# Altium PCB PCB1.PcbDoc
Units mm, origin at the board's own origin, x right, y up, seen from the top; angles counter-clockwise.
Board outline 60.83 x 47 mm, 2 copper layers (Top Layer, Bottom Layer); 6 components, 6 nets, 44 pads, 0 vias.
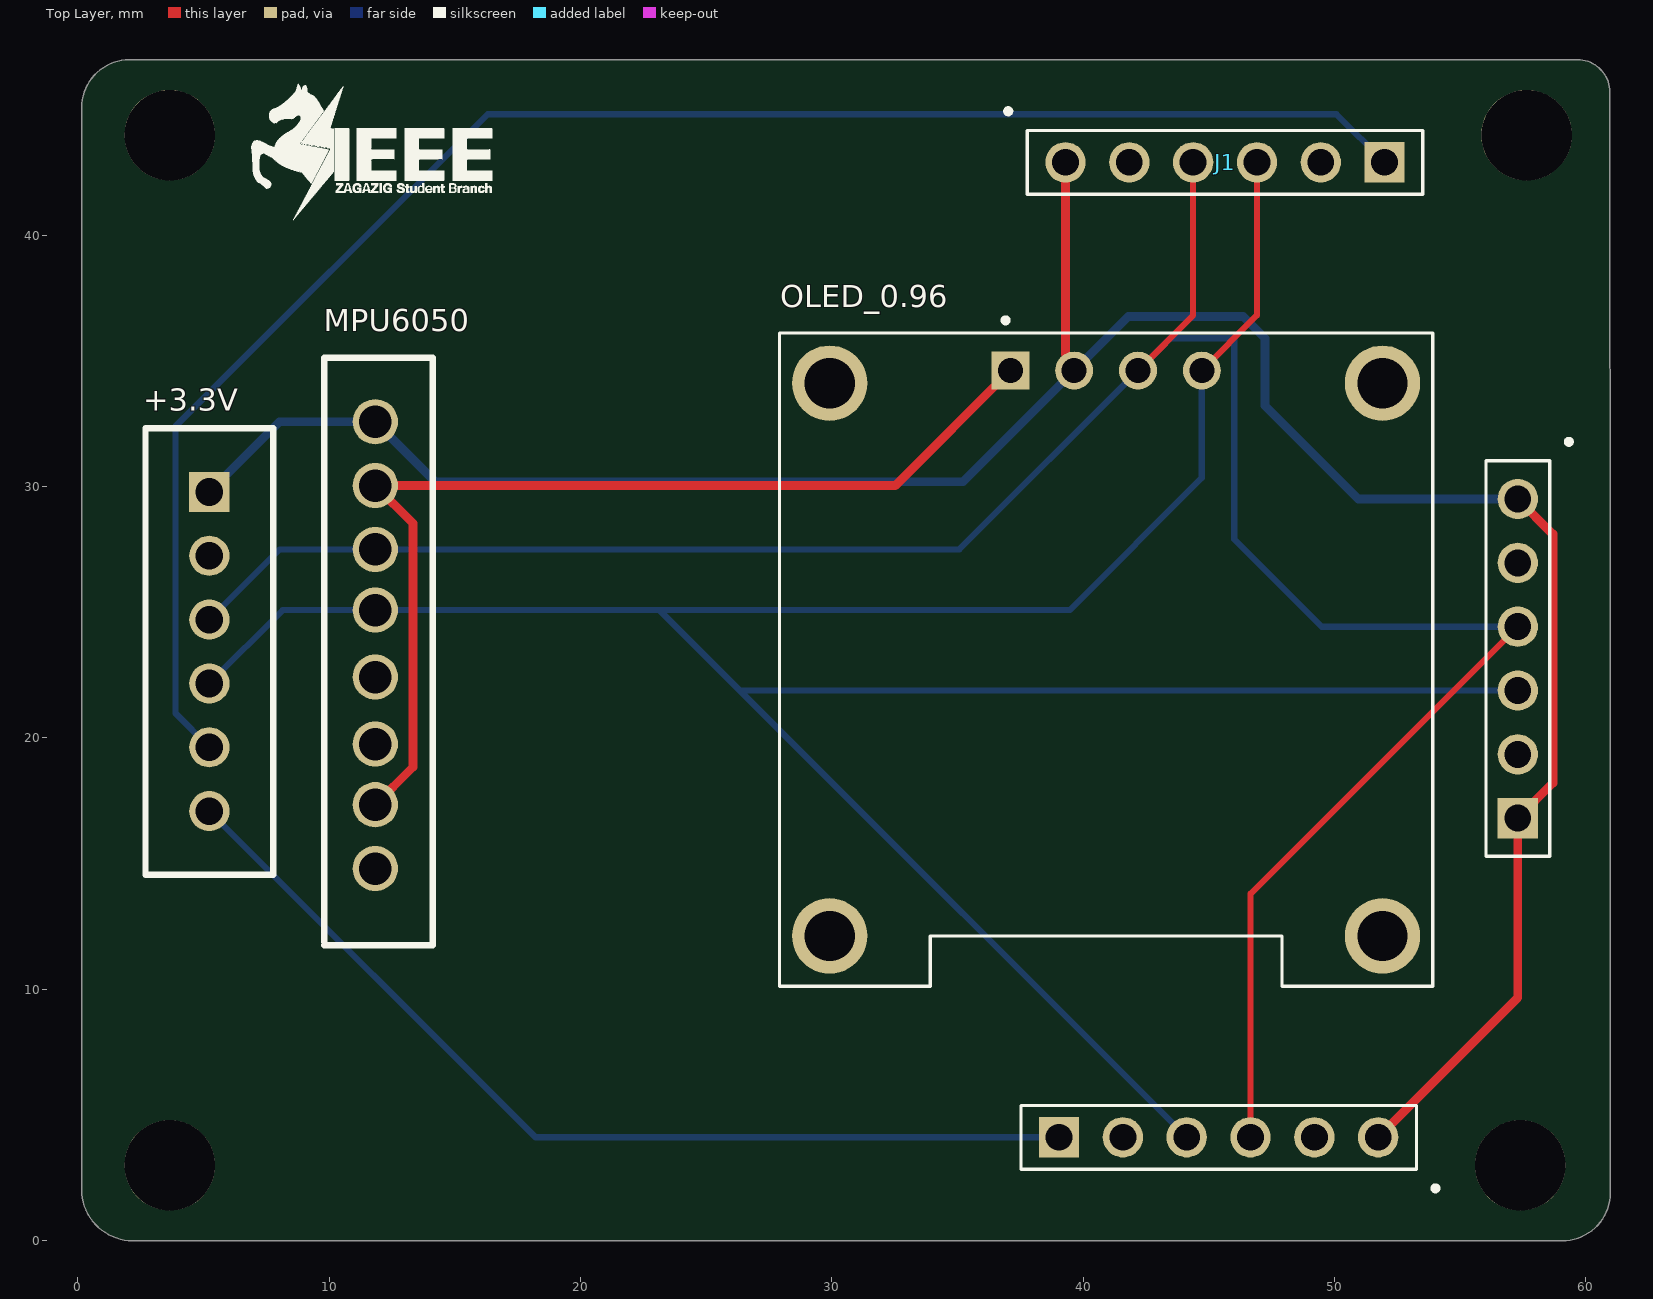
[diagram p0: Top Layer view]
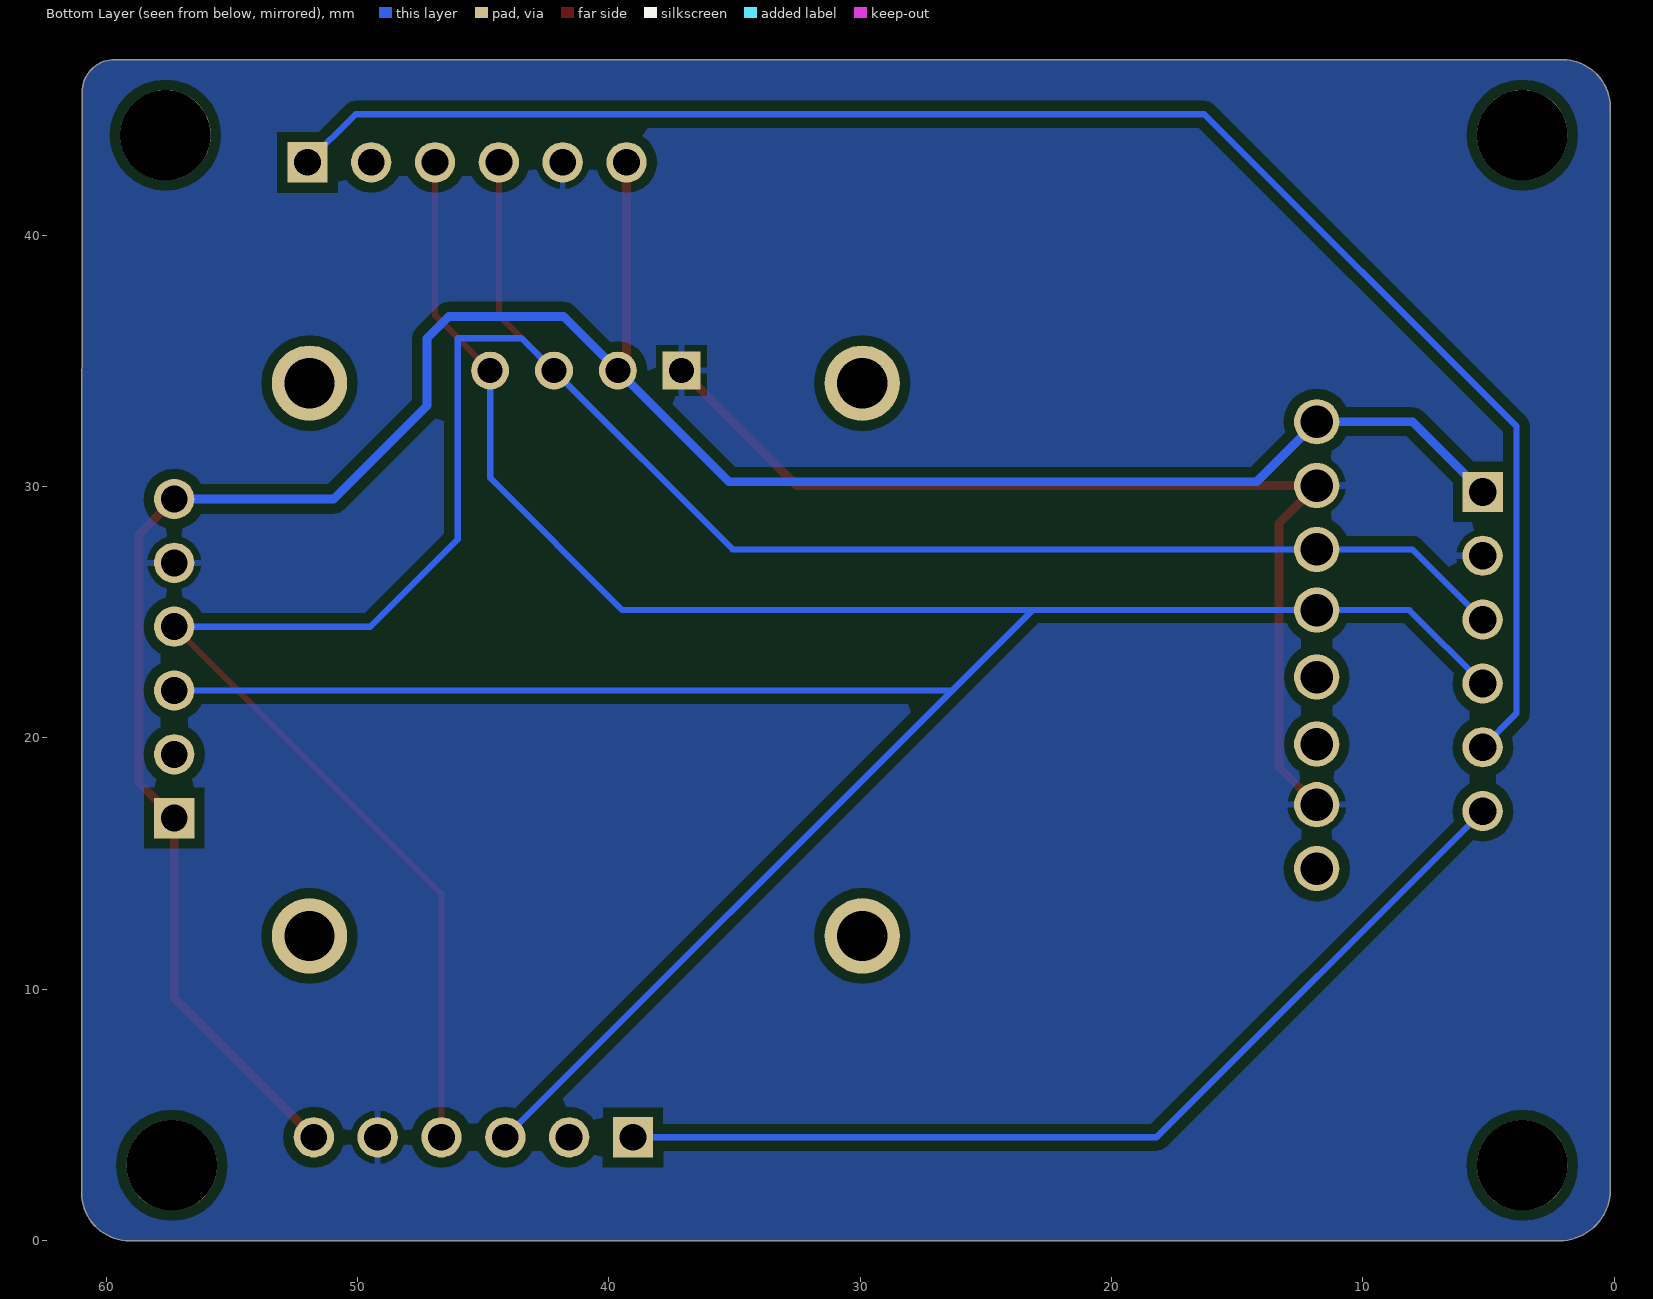
[diagram p1: Bottom Layer view, seen from below]

## Layer stack, top to bottom
Top Solder: solder mask 0.0102, Solder Resist, Dk 3.5
Top Layer: signal copper 0.0356
Dielectric 1: dielectric 0.32, FR-4, Dk 4.8
Bottom Layer: signal copper 0.0356
Bottom Solder: solder mask 0.0102, Solder Resist, Dk 3.5

## Board outline
2.182,-0.017 cw(c2.182,2.015) 0.15,2.015 0.15,45.078 cw(c2.05,45.078) 2.05,46.978 59.672,46.983 cw(c59.672,45.691) 60.964,45.691 60.983,23.684 60.983,1.888 cw(c59.078,1.888) 59.078,-0.017

## Design rules (kind name [scope] priority, off if disabled: settings)
Clearance [All] p1: gap=0.4 ignorepadtopadclearanceinfootprint=FALSE
HoleSize [All] p1: absolutevalues=TRUE maxlimit=4 minlimit=0.025 maxpercent=80.000 minpercent=20.000
MinimumAnnularRing [All] p1: minimumring=0.25
PlaneClearance [All] p1: clearance=0.75
PolygonConnect [All] p1: connectstyle=Relief reliefconductorwidth=0.254 reliefentries=4 polygonreliefangle="90 Angle" airgapwidth=0.254
RoutingVias [All] p1: holewidth=0.711 width=1.27 viastyle="Through Hole" minholewidth=0.711 minwidth=1.27 maxholewidth=0.711 maxwidth=1.27
SolderMaskExpansion [All] p1: expansion=0.102 istentingtop=FALSE
Width GND [InNet('GND')] p1: maxlimit=0.35 minlimit=0.35 preferedwidth=0.35
Width 3.3V [InNet('3.3V')] p2: maxlimit=0.35 minlimit=0.35 preferedwidth=0.35
Width All [All] p3: maxlimit=0.25 minlimit=0.25 preferedwidth=0.25
28 further rules are at their usual default settings.

## Classes and differential pairs
component class Sheet1: +3.3V MPU6050 OLED_0.96 U?

## Components (designator, comment, footprint, x,y, rotation, side; value= is the part's Value field where it differs from the comment)
+3.3V "Top layer" "6 pin JST" 5.23,29.78 r270 top (schematic designator CON1)
J1 "ToF_Left" "6 pin female header" 45.269,41.884 r90 top
J2 "ToF_Center" "6 pin female header" 56.284,23.531 r0 top
J3 "ToF_Right" "6 pin female header" 45.777,5.116 r270 top
MPU6050 "MPU6050" "8 Pin Female Headers" 12.088,36.003 r270 top (schematic designator J4)
OLED_0.96 "DM-OLED096-636" MODULE_DM-OLED096-636 40.917,23.112 r0 top (schematic designator U1)

## Footprints (in the part's own frame and the unit in brackets; to place one, negate y for a bottom-side part, rotate by r counter-clockwise, add the part's x,y. Pads: shape width x height; smd on the part's side, far side on the other; paste and mask are expansions set on the pad)
"6 pin female header" [mm]
  round 1.605 hole 1.07: 1(1.016,5.969) 2(1.016,3.429) 3(1.016,0.889) 4(1.016,-1.651) 5(1.016,-4.191)
  rect 1.605x1.605 / inner round 1.605 / far side rect 1.605x1.605 hole 1.07: 6(1.016,-6.731)
  silkscreen extent -0.25,-8.25 3.15,8.35, body extent -3.98,-12.84 8.71,12.33, height 1.25
"6 pin JST" [mm]
  rect 1.6x1.6 hole 1.1: 1(0,0)
  round 1.6 hole 1.1: 2(2.54,0) 3(5.08,0) 4(7.62,0) 5(10.16,0) 6(12.7,0)
  silkscreen extent -2.54,-2.54 15.24,2.54, body extent -2.68,-3.38 15.28,2.35, height 7
"8 Pin Female Headers" [mil]
  round 71 hole 51: 1(135,-10) 2(235,-10) 3(335,-10) 4(430,-10) 5(535,-10) 6(640,-10) 7(735,-10) 8(835,-10)
  silkscreen extent 35,-90 955,80, body extent 70,-66 870,556, height 242
MODULE_DM-OLED096-636 [mm]
  rect 1.508x1.508 / inner round 1.508 / far side rect 1.508x1.508 hole 1: 1(-3.81,11.5)
  round 1.508 hole 1: 2(-1.27,11.5) 3(1.27,11.5) 4(3.81,11.5)
  round 3 hole 2: S1(-11,11) S2(11,11) S3(11,-11) S4(-11,-11)
  silkscreen extent -13,-13 13,13.6, body extent -13,-13 13,13, height 6.12

## Part data
+3.3V: library part "6 pin JST", "Connector Header Surface Mount 6 position 0.059 (1.50mm)", Package=None, Check_prices=https://www.snapeda.com/parts/B6B-ZR/JST/view-part/?ref=eda, MF=JST, MP=B6B-ZR, SnapEDA_Link=https://www.snapeda.com/parts/B6B-ZR/JST/view-part/?ref=snap
J1 J2 J3: library part "6 pin female header", Package=None, Check_prices=https://www.snapeda.com/parts/PPTC061LFBNRC/Sullins/view-part/?ref=eda, MF="Sullins Connector Solutions", MP=PPTC061LFBNRC, SnapEDA_Link=https://www.snapeda.com/parts/PPTC061LFBNRC/Sullins/view-part/?ref=snap
MPU6050: library part "8 pin Female Headers", Package=None, Availability=Unavailable, MP=395011008, Price=None
OLED_0.96: "0.96â€ 128 X 64 MONOCHROME GRAPHIC OLED DISPLAY MODULE - I2C", Package=Package, Check_prices=https://www.snapeda.com/parts/DM-OLED096-636/Display+Module/view-part/?ref=eda, MF="Display Module", MP=DM-OLED096-636, SnapEDA_Link=https://www.snapeda.com/parts/DM-OLED096-636/Display+Module/view-part/?ref=snap

## Free pads (board coordinates)
  round 3.6 hole 3.6 unplated: MH1(3.65,43.983) MH2(3.65,2.983) MH3(57.4,2.983) MH4(57.65,43.983)

## Nets (pads, with @x,y where several pads share a name; then routed paths per layer and width w, separated by ;. In a path a pad name is that pad's centre, name@x,y a point inside that pad or via, vN(x,y) a via of type N, cw(c..) or ccw(c..) an arc to the next point about the centre after c; other vN are vias at no path point)
3.3V: +3.3V.1 J1.1 J2.1 J2.6 J3.1 MPU6050.1 OLED_0.96.2 | length 98.8
  Top Layer w0.35: J1.1 39.3,35.272 39.647,34.925 OLED_0.96.2 ; J3.1 57.3,9.654 J2.6 58.697,18.197 58.697,28.103 J2.1
  Bottom Layer w0.35: +3.3V.1 8.024,32.574 MPU6050.1 14.222,30.186 35.222,30.186 OLED_0.96.2 41.8,36.765 46.378,36.765 47.242,35.901 47.242,33.208 50.95,29.5 J2.1
GND: +3.3V.2 J1.2 J2.2 J3.2 MPU6050.2 MPU6050.7 OLED_0.96.1 | length 41.1
  Top Layer w0.35: MPU6050.7 13.333,18.833 13.333,28.535 MPU6050.2 32.529,30.034 OLED_0.96.1
SCL: +3.3V.3 J1.3 J2.3 J3.3 MPU6050.3 OLED_0.96.3 | length 100.1
  Top Layer w0.25: OLED_0.96.3 44.38,36.805 J1.3 ; J3.3 46.666,13.786 J2.3
  Bottom Layer w0.25: +3.3V.3 8.024,27.494 MPU6050.3 35.069,27.494 OLED_0.96.3 43.477,35.901 46.022,35.901 46.022,27.9 49.503,24.42 J2.3
SDA: +3.3V.4 J1.4 J2.4 J3.4 MPU6050.4 OLED_0.96.4 | length 117
  Top Layer w0.25: OLED_0.96.4 46.92,36.805 J1.4
  Bottom Layer w0.25: +3.3V.4 8.151,25.081 MPU6050.4 23.145,25.081 ; J3.4 26.346,21.88 ; OLED_0.96.4 44.727,30.339 39.469,25.081 23.145,25.081 ; J2.4 26.346,21.88 ; 23.145,25.081 26.346,21.88
XSHUT_Left: +3.3V.5 J1.6 | length 67.4
  Bottom Layer w0.25: +3.3V.5 3.884,20.966 3.884,32.396 16.304,44.817 50.083,44.817 J1.6
XSHUT_Right: +3.3V.6 J3.6 | length 39.2
  Bottom Layer w0.25: +3.3V.6 18.21,4.1 J3.6
pads on no net: J1.5 J2.5 J3.5 MPU6050.5 MPU6050.6 MPU6050.8 OLED_0.96.S1 OLED_0.96.S2 OLED_0.96.S3 OLED_0.96.S4

## Polygon pours and split planes (outlines as drawn)
GND on Bottom Layer "GND_L02_P002" (solid, remove dead copper, pour order 2): 2.182,-0.017 cw(c2.182,2.015) 0.15,2.015 0.15,45.078 cw(c2.05,45.078) 2.05,46.978 59.672,46.983 cw(c59.672,45.691) 60.964,45.691 60.983,23.684 60.983,1.888 cw(c59.078,1.888) 59.078,-0.017

## Silkscreen, mask and mechanical layers (free items; w line width, h text height)
Top Overlay:
  drawing of 33 lines, arcs and shapes, not listed
Mechanical 1:
  lines w0.254: 0.15,2.015 ccw(c2.182,2.015) 2.182,-0.017 32.535,-0.017 59.078,-0.017 ccw(c59.078,1.888) 60.983,1.888 60.983,23.684 60.964,45.691 ccw(c59.672,45.691) 59.672,46.983 2.05,46.978 ccw(c2.05,45.078) 0.15,45.078 0.15,2.015